# Altium PCB cheriot-test.PcbDoc (part 4 of 12)
Units mil, origin at the board's own origin, x right, y up, seen from the top; angles counter-clockwise.
Board outline 6629.92 x 3149.61 mil, 8 copper layers (Top Layer, Int1 (Sign), Int2 (GND), Int3 (Sign), Int4 (Sign), Int5 (PWR), Int6 (Sign), Bottom Layer), stack 60.424 mil thick; 496 components, 639 nets, 2898 pads, 1737 vias.
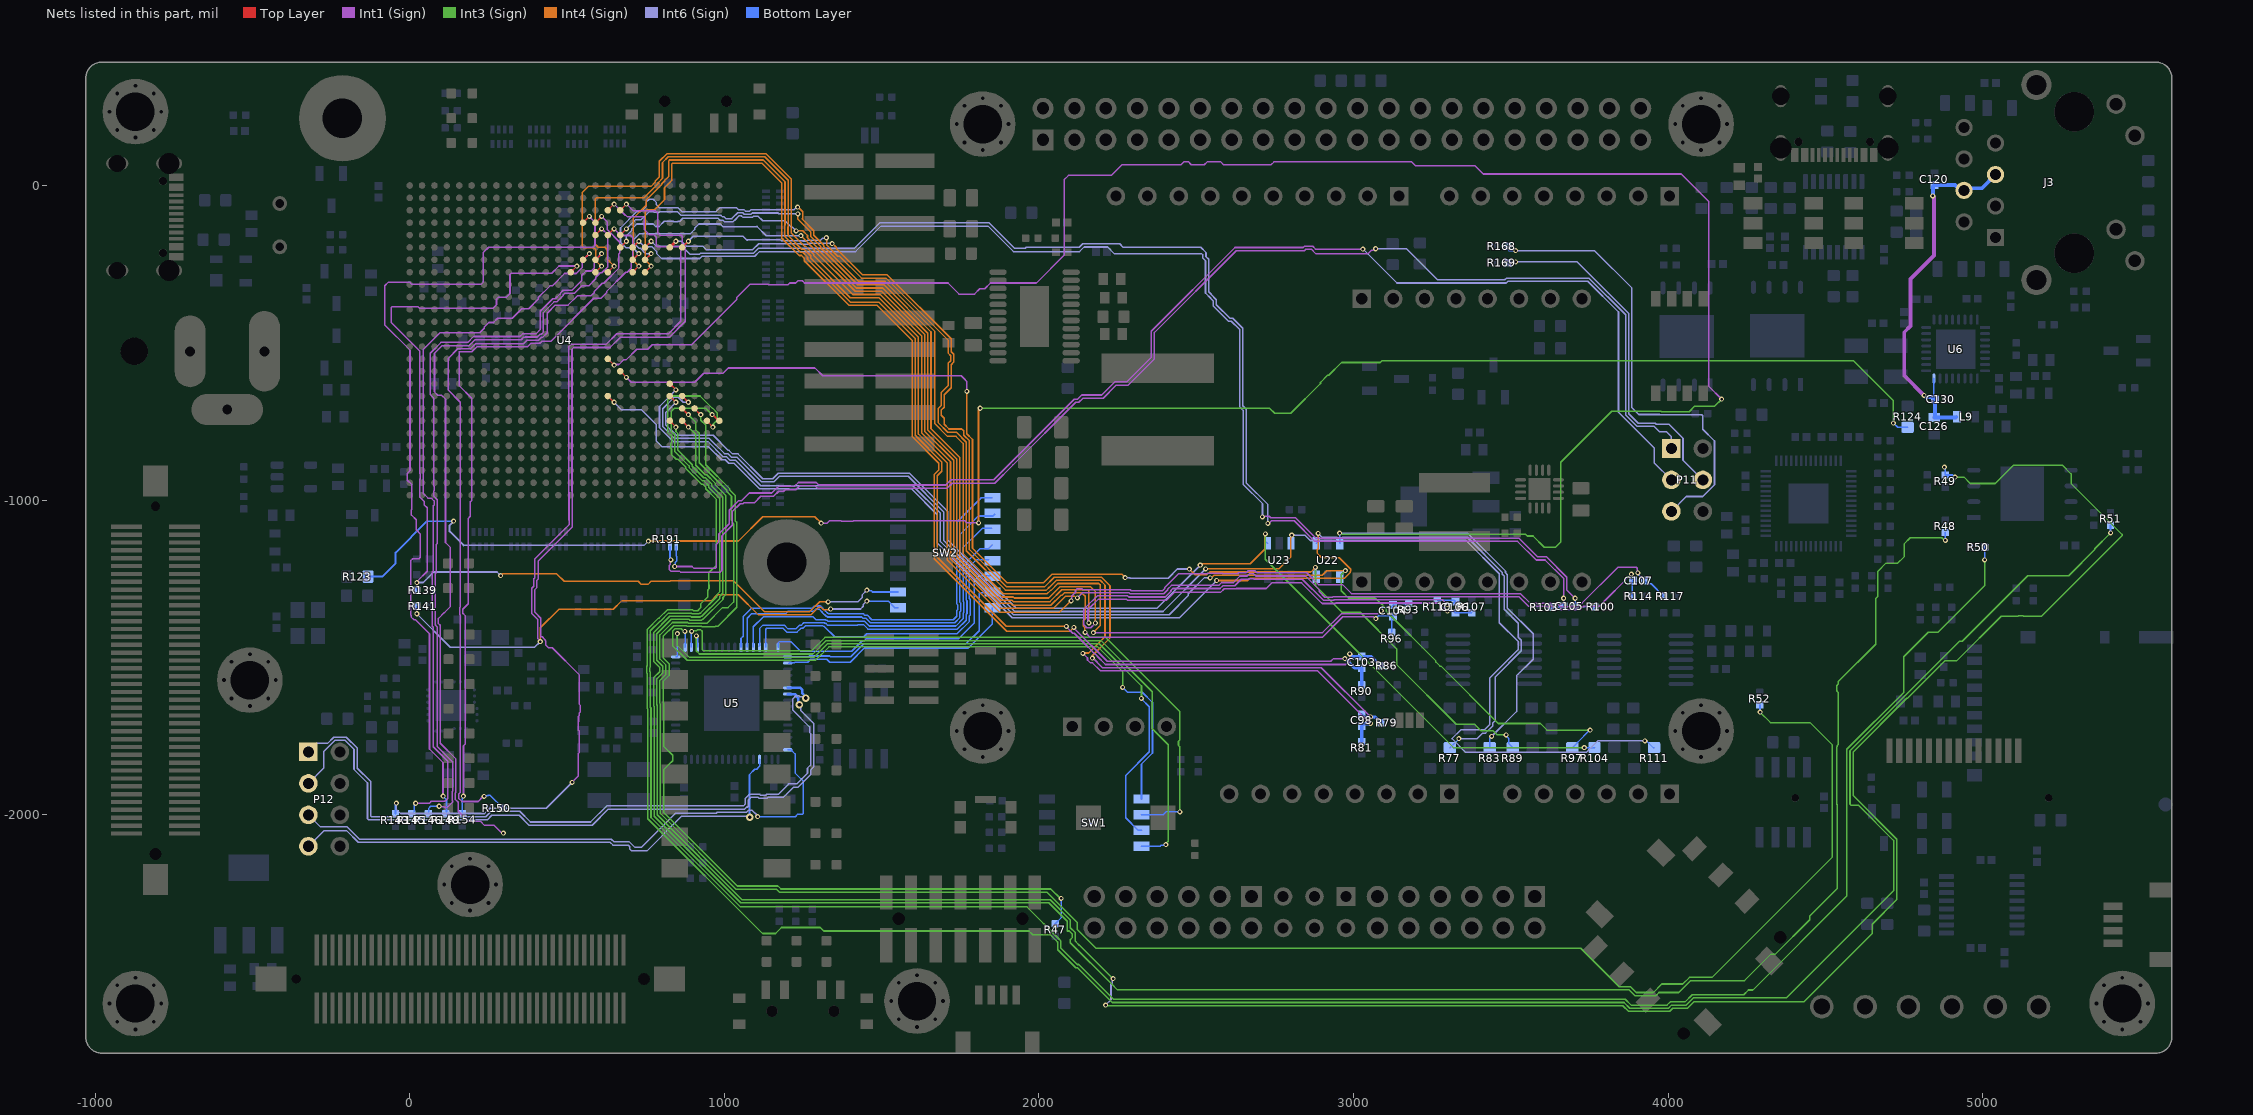
[diagram p10: the nets of this part, all layers, seen from the top]

## Via types
v1: diameter 16, hole 8, Top Layer to Bottom Layer, tented both sides, 1442 vias
v2: diameter 24, hole 12, Top Layer to Bottom Layer, tented both sides, 257 vias
v3: diameter 23.62, hole 11.81, Top Layer to Bottom Layer, tented both sides, 16 vias
v4: diameter 45, hole 20, Top Layer to Bottom Layer, 14 vias
v5: diameter 19.68, hole 8, Top Layer to Bottom Layer, 8 vias

## Nets (pads, with @x,y where several pads share a name; then routed paths per layer and width w, separated by ;. In a path a pad name is that pad's centre, name@x,y a point inside that pad or via, vN(x,y) a via of type N, cw(c..) or ccw(c..) an arc to the next point about the centre after c; other vN are vias at no path point) (continued)
AH_TMPIO14: P11.1 R191.3B | length 4326.4
  Int1 (Sign) w5: v1(829.88,-1190) 827.78,-1192.1 827.78,-1205.3 825.5,-1207.57 825.5,-1221 831,-1226.5 858.85,-1226.5 861.85,-1229.5 986.22,-1229.5 992.74,-1222.98 992.74,-1113 1025.5,-1080.23 1025.5,-1049.44 1025.5,-1036.36 1050.36,-1011.5 1059.78,-1011.5 1062.28,-1009 1094.84,-1009 1115.84,-988 1156.57,-988 1172.79,-971.79 ; 1173,-972 1188.94,-972 1194,-966.94 1227,-966.94 1239.94,-954 1288.43,-954 1296.43,-962 1708.14,-962 1724.14,-946 1859.96,-946 1917.48,-888.48 ; 1917.43,-888.42 2116.85,-689 2126.72,-689 2139.9,-675.82 2204.18,-675.82 2245,-635 2283,-635 2367,-551 2367,-467.28 2627.28,-207 2844.24,-207 2848.19,-203.05 2866.05,-203.05 2880.5,-217.5 3045.5,-217.5 3056.68,-206.32 3065.68,-206.32 3071,-201 v1(3070,-201)
  Int6 (Sign) w5: v1(3070,-201) 3167.98,-201 3266.9,-299.92 3481.02,-299.92 3486.44,-294.5 3748.64,-294.5 3864.92,-410.78 3864.92,-729.28 3901.19,-765.54 3954.77,-765.54 3971.44,-782.21 3993.57,-782.21 4010.24,-798.88 P11.1@4010.24,-835.91
  Bottom Layer w5: R191.3B@827.44,-1147.13 827.44,-1187.56 v1(829.88,-1190)
AH_TMPIO15: P11.3 R191.4B | length 4326.4
  Int1 (Sign) w5: v1(842.19,-1211) 897.49,-1211 903.49,-1217 971.07,-1217 974,-1214.07 974,-1142.14 982.74,-1133.41 982.74,-1107.55 1015.5,-1074.78 1015.5,-1032.22 1046.22,-1001.5 1055.63,-1001.5 1079.67,-977.46 1150.54,-977.46 1166.5,-961.5 ; 1167,-962 1173.5,-955.5 1224.3,-955.5 1235.8,-944 1292.57,-944 1300.57,-952 1704,-952 1721,-935 1856.71,-935 2112.71,-679 2122.58,-679 2135.76,-665.82 2200.04,-665.82 2241.93,-623.93 2279.93,-623.93 2357,-546.86 2357,-463.14 2623.14,-197 2840.1,-197 2844.05,-193.05 2870.19,-193.05 2879.14,-202 v1(3030,-202)
  Int6 (Sign) w5: v1(3030,-202) 3137.92,-309.92 3485.16,-309.92 3490.58,-304.5 3744.5,-304.5 3842.17,-402.17 3842.17,-720.66 3955.98,-834.48 3955.98,-881.65 P11.3@4010.24,-935.91
  Bottom Layer w5: v1(842.19,-1211) 844.29,-1208.9 844.29,-1198.09 849.38,-1193 849.38,-1178.88 847.13,-1176.62 R191.4B@847.13,-1147.13
AH_TMPIO16: P11.5 R168.2 | length 1464.4
  Int6 (Sign) w5: v1(3515,-207) 3765.75,-207 3884.92,-326.18 3884.92,-706.49 3906.24,-727.81 3973.37,-727.81 3974.56,-729 4107.06,-729 4109.98,-731.93 4109.98,-774.92 4147.26,-812.2 4147.26,-951.24 4110.1,-988.4 4057.74,-988.4 P11.5@4010.24,-1035.91
  Bottom Layer w5: 3492.87,-207.6 3514.4,-207.6 v1(3515,-207)
AH_TMPIO17: P11.4 R169.2 | length 1131.7
  Int6 (Sign) w5: v1(3515,-243) 3711.28,-243 3874.92,-406.64 3874.92,-725.13 3905.33,-755.54 3958.92,-755.54 3962.18,-758.81 4002.8,-758.81 4047.26,-803.27 4047.26,-872.93 P11.4@4110.24,-935.91
  Bottom Layer w5: R169.2@3493.8,-245 3495.8,-243 v1(3515,-243)
ANALOG0_DIGITAL: R77.2 U4.K18 U22.4 | length 4386.4
  Top Layer w5: U4.K18@629.92,-669.29 v1(649.61,-688.98)
  Int4 (Sign) w5: v1(2565,-1255.5) 2663.67,-1255.5 2670.62,-1248.55 2971.52,-1248.55 2988.96,-1231.11 2988.96,-1227.29 2991.05,-1225.19 2991.05,-1219.83 2954.22,-1183 2899,-1183 2884,-1168 2884,-1158 2887.48,-1154.52 2887.48,-1108.48 v1@2885,-1106
  Int6 (Sign) w5: v1(649.61,-688.98) 673.48,-712.85 736.85,-712.85 784,-760 784,-812 802,-830 950,-830 992,-872 1002.65,-872 1013.8,-883.15 1031.11,-883.15 1111.96,-964 1205.81,-964 1207.31,-965.5 1228.44,-965.5 1229.94,-964 1594.86,-964 1677,-1046.14 1677,-1136 1915,-1374 2446.5,-1374 v1(2565,-1255.5) ; v1(2887.48,-1105.82) 2900.06,-1118.39 2947.47,-1118.39 2949.58,-1120.5 2962.42,-1120.5 2964.53,-1118.39 3361.59,-1118.39 3473.01,-1229.81 3473.01,-1235.23 3478.96,-1241.18 3478.96,-1347.04 3523.29,-1391.37 3523.29,-1435.55 3533.29,-1445.55 3533.29,-1478.95 3450.98,-1561.25 3450.98,-1699.92 3442.98,-1707.92 3442.98,-1716.98 3419.55,-1740.42 3410.48,-1740.42 3392.98,-1757.92 v1(3334.83,-1757.92)
  Bottom Layer w5: U22.4@2881.09,-1137.71 2887.48,-1131.31 2887.48,-1108.48 v1@2887,-1108 ; R77.2@3306.3,-1786.46 3307.28,-1786.46 3334.83,-1758.91 v1(3334.83,-1757.92)
ANALOG0_N: C98.2 R81.2 U4.D6 | length 3620
  Top Layer w5: U4.D6@866.14,-196.85 v1(885.83,-177.17)
  Int1 (Sign) w5: v1@2140,-1489 2142,-1489 2154.5,-1501.5 2154.5,-1508.42 2163.58,-1517.5 2170.5,-1517.5 2195.42,-1542.42 2885.68,-1542.42 3053.06,-1709.81 v1(3053.98,-1709.81)
  Int4 (Sign) w5: v1(1324.36,-166.14) 1326.29,-168.06 1326.29,-189.98 1360.96,-224.65 1366.35,-224.65 1435.85,-294.15 1514.01,-294.15 1711.21,-491.35 1711.21,-532.63 1719.5,-540.92 1719.5,-557.08 1711.21,-565.37 1711.21,-636.37 1689,-658.58 1689,-700.28 1679.5,-709.78 1679.5,-753.5 1710.6,-784.6 1737.9,-784.6 1769,-815.7 1769,-1161.28 1893.72,-1286 2023.86,-1286 2032.86,-1277 2034,-1277 2056,-1255 2194.86,-1255 2210,-1270.14 2210,-1434 2158,-1486 2145,-1486 2144,-1487 v1(2140,-1487)
  Int6 (Sign) w5: v1(885.83,-177.17) 901.33,-161.67 1059.56,-161.67 1071.08,-173.18 1075.22,-173.18 1076.58,-171.81 1177.23,-171.81 1180.61,-175.19 1247.68,-175.19 1249.02,-176.53 1261.86,-176.53 1264.89,-173.5 1306.36,-173.5 1311.62,-168.24 1322.26,-168.24 v1(1324.36,-166.14)
  Bottom Layer w10: R81.2@3025.98,-1767.44 C98.2@3025.98,-1717.42 3032.45,-1710.96 3052.84,-1710.96 v1(3053.98,-1709.81)
ANALOG0_P: C98.1 R79.2 U4.E6 | length 3610.1
  Top Layer w10: U4.E6@826.77,-196.85 v1(846.46,-177.17)
  Int1 (Sign) w5: v1@2170.97,-1501.03 2202.36,-1532.42 2897.6,-1532.42 v1(3053.98,-1688.81)
  Int4 (Sign) w5: v1(1342.69,-184.46) 1344.15,-184.46 1356.15,-196.46 1356.15,-200.31 1439.99,-284.15 1518.15,-284.15 1721.21,-487.21 1721.21,-528.49 1729.5,-536.78 1729.5,-561.22 1721.21,-569.51 1721.21,-642.87 1699,-665.08 1699,-704.42 1689.5,-713.92 1689.5,-730.08 1699,-739.58 1699,-758.86 1714.07,-773.93 1755.07,-773.93 1761,-779.86 1761,-793.56 1779,-811.56 1779,-1157.14 1897.86,-1276 2018,-1276 2049,-1245 2199,-1245 2226,-1272 2226,-1438 2168.07,-1495.93 2168.07,-1500.07 v1(2170,-1502)
  Int6 (Sign) w5: v1(846.46,-177.17) 863.91,-177.17 879.41,-192.67 931.62,-192.67 943.45,-204.5 1089.42,-204.5 1109.15,-184.77 1176.05,-184.77 1176.47,-185.19 1243.54,-185.19 1244.88,-186.53 1266.01,-186.53 1269.04,-183.5 1341.73,-183.5 v1(1342.69,-184.46)
  Bottom Layer w10: C98.1@3025.98,-1681.2 3032.45,-1687.66 3052.84,-1687.66 v1(3053.98,-1688.81) 3067.98,-1688.81 R79.2@3086.3,-1707.13
ANALOG1_DIGITAL: R83.2 U4.K15 U22.6 | length 7510.8
  Top Layer w5: U4.K15@629.92,-551.18 v1(649.61,-570.87)
  Int1 (Sign) w5: v1(649.61,-570.87) 651.58,-568.89 665.11,-568.89 680.6,-553.41 688.99,-553.41 722,-520.39 756.9,-520.39 771.29,-506 896.11,-506 1039.12,-362.99 1039.12,-356.44 1081.75,-313.81 1138.81,-313.81 1141,-316 1202.08,-316 1208.08,-310 1227.08,-310 1234.58,-302.5 1247.42,-302.5 1254.92,-310 1711,-310 1746,-345 1795.42,-345 1811.92,-328.5 1827.56,-328.5 1846.06,-310 1992,-310 2080,-222 2080,18 2094,32 2230.01,32 2264.01,66 2451.58,66 2461.58,76 2474.42,76 2484.42,66 2525.58,66 2535.58,76 2576.92,76 2586.92,66 2737.86,66 2746.86,75 3185.14,75 3197.14,63 3385.96,63 3412.46,36.5 4041,36.5 ; 4041.25,36.75 4128.48,-50.48 4128.48,-637.48 v1(4170,-679)
  Int3 (Sign) w5: v1(2956,-1105) 2956,-1106.07 2958.93,-1109 3547,-1109 3552,-1114 3570.5,-1114 3606.5,-1150 3642,-1150 3659,-1133 3659,-879.86 3821.05,-717.81 3977.51,-717.81 3978.71,-719 4066.77,-719 4083.74,-702.03 4146.97,-702.03 v1(4170,-679)
  Int6 (Sign) w5: v1@2955.89,-1102.89 2957.92,-1104.92 3362.26,-1104.92 3483.01,-1225.67 3483.01,-1231.09 3488.96,-1237.04 3488.96,-1342.89 3570.98,-1424.92 3570.98,-1505.56 3518.08,-1558.47 3518.08,-1671.83 v1(3438.98,-1750.92)
  Bottom Layer w5: U22.6@2955.89,-1137.71 2956,-1137.6 v1@2956,-1107 ; R83.2@3432.43,-1786.46 3432.43,-1757.48 v1(3438.98,-1750.92)
ANALOG1_N: C103.2 R90.2 U4.G8 | length 3823
  Top Layer w5: U4.G8@748.03,-275.59 v1(767.72,-255.91)
  Int1 (Sign) w5: v1(2111.02,-1404.71) 2111.02,-1406.47 2216.97,-1512.42 2927.4,-1512.42 2936.06,-1503.77 v1(2972.48,-1503.77)
  Int4 (Sign) w5: v1(767.72,-255.91) 749,-237.19 749,-83 755,-77 778,-77 810,-45 810,-7 833,16 833,68.07 835.93,71 1120,71 1183,8 1183,-122.65 1182.54,-123.11 1182.54,-162.92 1183,-163.38 1183,-167.28 1238.22,-222.5 1245.42,-222.5 1254.5,-231.58 1254.5,-238.78 1396.72,-381 1485,-381 1597,-493 1597,-798.14 1681.5,-882.64 1681.5,-904.23 1667,-918.73 1667,-1186 1898,-1417 2098.73,-1417 v1(2111.02,-1404.71)
  Bottom Layer w10: v1(2972.48,-1503.77) 2973.14,-1503.77 3002.73,-1533.37 C103.2@3025.98,-1533.37 R90.2@3025.98,-1587.13
ANALOG1_P: C103.1 R86.2 U4.H8 | length 3874.7
  Top Layer w5: U4.H8@708.66,-275.59 v1(728.35,-255.91)
  Int1 (Sign) w5: v1(2087.43,-1401.5) 2087.43,-1403.35 2107.58,-1423.5 2112.36,-1423.5 2150.36,-1461.5 2150.56,-1461.5 2165.5,-1476.44 2165.5,-1476.64 2175.36,-1486.5 2176.42,-1486.5 2185.5,-1495.58 2185.5,-1496.64 2211.28,-1522.42 2975.75,-1522.42 2987.98,-1510.19 v1(2987.98,-1488.92)
  Int4 (Sign) w5: v1(728.35,-255.91) 710,-237.56 710,-105 752.22,-62.78 752.22,-45.82 801.1,3.06 801.1,5.9 823,27.81 823,78.07 825.93,81 1124.14,81 1193,12.14 1193,-126.8 1192.54,-127.26 1192.54,-158.78 1193,-159.24 1193,-163.14 1242.36,-212.5 1249.56,-212.5 1264.5,-227.44 1264.5,-234.64 1400.86,-371 1491.86,-371 1607,-486.14 1607,-794 1691.5,-878.5 1691.5,-908.38 1677,-922.88 1677,-1181.86 1896.14,-1401 2086.93,-1401 v1(2087.43,-1401.5)
  Bottom Layer w10: v1(2987.98,-1488.92) 2989.61,-1488.92 2997.83,-1497.15 C103.1@3025.98,-1497.15 3056.32,-1497.15 R86.2@3086.3,-1527.13
ANALOG2_DIGITAL: R89.2 U4.J16 U22.3 | length 3841.3
  Top Layer w5: U4.J16@669.29,-590.55 v1(688.98,-610.24)
  Int1 (Sign) w5: v1(688.98,-610.24) 704.48,-625.74 906.26,-625.74 935,-597 995.86,-597 1012.86,-580 1288.14,-580 1313.14,-605 1753.17,-605 1765.74,-617.57 1765.74,-618.05 1769.96,-622.28 1769.96,-653.46 v1(1771,-654.5)
  Int3 (Sign) w5: v1(2879,-1214) 2879,-1272.58 2963.21,-1356.79 3021.21,-1356.79 3136.85,-1472.43 3136.85,-1495 ; 3138,-1495 3138,-1523.69 3326.74,-1712.43 3384.57,-1712.43 3404.72,-1732.58 3442.56,-1732.58 3455.9,-1745.92 v1(3484.98,-1745.92)
  Int4 (Sign) w5: v1(1771,-654.5) 1771,-789.42 1789,-807.42 1789,-1153 1899.29,-1263.29 2013.71,-1263.29 2042,-1235 2263,-1235 v1(2274,-1246) ; v1(2478,-1219) 2496.5,-1237.5 2532.37,-1237.5 2537.87,-1231.99 2540.01,-1231.99 2543.45,-1228.55 2864.45,-1228.55 2877,-1216 v1@2877,-1214
  Int6 (Sign) w5: v1(2274,-1246) 2275.31,-1247.31 2289.5,-1247.31 2290.45,-1248.27 2410.73,-1248.27 2440,-1219 v1(2478,-1219) v1@2479,-1218
  Bottom Layer w5: v1@2879,-1216 2879,-1241.91 U22.3@2881.09,-1244 ; v1(3484.98,-1745.92) 3484.98,-1748.9 3493.54,-1757.46 3493.54,-1773.7 R89.2@3506.3,-1786.46
ANALOG2_N: C104.2 R96.2 U4.G7 | length 3645.3
  Top Layer w5: U4.G7@748.03,-236.22 v1(767.72,-216.54)
  Int1 (Sign) w5: v1(2146.96,-1420.13) 2147.13,-1420.13 2163.48,-1436.48 2900.25,-1436.48 2965.74,-1371 3062.69,-1371 3068.19,-1376.5 v1(3071.12,-1376.5)
  Int4 (Sign) w5: v1(1243.23,-159.27) 1286.29,-202.33 1286.29,-206.55 1416.17,-336.43 1499.72,-336.43 1637,-473.71 1637,-781.57 1729,-873.57 1729,-1182.43 1874.57,-1328 1910,-1328 1916,-1334 2038,-1334 2069,-1303 2072.86,-1303 2080.86,-1295 2136.07,-1295 2147,-1305.93 2147,-1377.08 2140.5,-1383.58 2140.5,-1399.52 2145.6,-1404.63 2145.6,-1418.77 v1(2146.96,-1420.13)
  Int6 (Sign) w5: v1(767.72,-216.54) 750.27,-216.54 732.74,-199.01 728.27,-199.01 712.85,-183.59 712.85,-170.75 730.3,-153.3 892.25,-153.3 905.51,-140.03 905.51,-135.56 918.78,-122.3 987.2,-122.3 995.4,-130.5 1103.52,-130.5 1104.01,-130.01 1133.5,-159.5 1221.54,-159.5 1221.9,-159.86 1242.64,-159.86 v1(1243.23,-159.27)
  Bottom Layer w5: v1(3071.12,-1376.5) 3071.12,-1375.85 3079.55,-1367.42 3123.19,-1367.42 C104.2@3125.98,-1370.21 3121.35,-1374.85 R96.2@3121.35,-1420.24
ANALOG2_P: C104.1 R93.2 U4.H7 | length 3886.1
  Top Layer w5: U4.H7@708.66,-236.22 v1(728.35,-216.54)
  Int1 (Sign) w5: v1(2172.98,-1420.98) 2901.61,-1420.98 2961.59,-1361 3079.77,-1361 3088.2,-1352.57 v1(3088.2,-1351.92)
  Int4 (Sign) w5: v1(1232.77,-69.04) 1234.96,-69.04 1249.5,-83.58 1249.5,-102.5 1248.46,-103.54 1248.46,-107.68 1284.55,-143.78 1284.55,-158.16 1316.29,-189.9 1316.29,-194.12 1427.17,-305 1510.72,-305 1669.5,-463.78 1669.5,-757.64 1709.28,-797.42 1736.58,-797.42 1759,-819.85 1759,-1170 1887,-1298 2026,-1298 2037,-1287 2038.14,-1287 2060.14,-1265 2190.72,-1265 2195,-1269.29 2195,-1398.75 2172.98,-1420.77 v1(2172.98,-1420.98)
  Int6 (Sign) w5: v1(728.35,-216.54) 709.08,-197.27 687.16,-197.27 670,-180.11 670,-134.85 721.93,-82.93 734.07,-82.93 752,-65 ; 752.22,-65 752.22,-52.63 761.3,-43.56 774.14,-43.56 783.22,-52.63 783.22,-59.62 794.87,-71.27 853.33,-71.27 864.99,-82.93 973.93,-82.93 986.35,-70.5 1038.65,-70.5 1044.58,-76.43 1062.51,-76.43 1067.58,-81.5 1080.42,-81.5 1085.49,-76.43 1222.4,-76.43 1229.79,-69.04 v1(1232.77,-69.04)
  Bottom Layer w5: v1(3088.2,-1351.92) 3090.3,-1349.82 3090.3,-1343.59 3093.98,-1339.92 3120.06,-1339.92 C104.1@3125.98,-1333.99 3131.43,-1328.55 R93.2@3176.12,-1328.55
ANALOG3_DIGITAL: R97.2 U4.E17 U22.1 | length 3838.4
  Top Layer w5: U4.E17@826.77,-629.92 v1(846.46,-649.61)
  Int3 (Sign) w5: v1@2970,-1226 2970.13,-1226.13 2970.13,-1228.01 2961.07,-1237.07 2961.07,-1288.07 2984,-1311 3069.2,-1311 3103.7,-1345.5 3103.7,-1353.47 3261.94,-1511.71 3261.94,-1514.54 3274.78,-1527.38 3277.61,-1527.38 3460.15,-1709.92 3594.08,-1709.92 3615,-1730.84 v1(3751.9,-1730.84)
  Int4 (Sign) w5: v1(2544.29,-1247.49) 2547.27,-1247.49 2556.22,-1238.55 2900.34,-1238.55 2914.47,-1224.42 v1(2973.72,-1224.42)
  Int6 (Sign) w5: v1(846.46,-649.61) 794,-702.06 794,-770.14 837.86,-814 948.14,-814 996.14,-862 1006.8,-862 1017.94,-873.15 1035.25,-873.15 1116.1,-954 1209.95,-954 1211.45,-955.5 1224.3,-955.5 1225.8,-954 1599,-954 1687,-1042 1687,-1131.86 1919.14,-1364 2414,-1364 2474.46,-1303.54 2474.46,-1297.94 2526.29,-1246.11 2542.91,-1246.11 v1(2544.29,-1247.49)
  Bottom Layer w5: R97.2@3695.49,-1786.46 3696.42,-1786.46 3711.49,-1771.39 3711.49,-1770.46 3751.11,-1730.84 v1(3751.9,-1730.84)
ANALOG3_N: C105.2 R103.2 U4.G6 | length 4001.3
  Top Layer w5: U4.G6@748.03,-196.85 v1(767.72,-177.17)
  Int1 (Sign) w5: v1@2725.02,-1074 2730.98,-1074 2739.34,-1065.63 2811.24,-1065.63 2876.92,-1131.32 3521.46,-1131.32 3580.52,-1190.38 3608.81,-1190.38 3667.87,-1249.45 v1(3667.87,-1311.87)
  Int6 (Sign) w5: v1(767.72,-177.17) 783.22,-192.67 865.26,-192.67 890.6,-218 921.86,-218 924.86,-215 1093.06,-215 1108.1,-199.96 1412.9,-199.96 1493.86,-119 1842.14,-119 1923.1,-199.96 1956.5,-199.96 1959.98,-196.48 2128.46,-196.48 2139.44,-185.5 2256.56,-185.5 2267.54,-196.48 2514.34,-196.48 2531,-213.14 2531,-226.17 2539.5,-234.67 2539.5,-337.64 2555.92,-354.06 2555.92,-355.07 2564,-363.16 2564,-378.69 2607.05,-421.74 2615.82,-421.74 2648,-453.92 2648,-699.78 2659,-710.78 2659,-945.26 2728,-1014.26 v1(2728,-1074)
  Bottom Layer w5: R103.2@3625.67,-1339.92 3665.43,-1339.92 C105.2@3667.87,-1337.47 3667.87,-1318.84 v1(3667.87,-1311.87)
ANALOG3_P: C105.1 R100.2 U4.H6 | length 4070.2
  Top Layer w5: U4.H6@708.66,-196.85 v1(728.35,-177.17)
  Int1 (Sign) w5: v1(2710.61,-1053.39) 2712.5,-1051.5 2732.42,-1051.5 2736.55,-1055.63 2815.38,-1055.63 2881.06,-1121.32 3525.6,-1121.32 3584.67,-1180.38 3612.95,-1180.38 3677.87,-1245.3 3677.87,-1285.65 v1(3704.09,-1311.87)
  Int6 (Sign) w5: v1(728.35,-177.17) 745.32,-194.14 769.14,-194.14 784.9,-209.9 784.9,-216.27 800.67,-232.04 921.96,-232.04 929,-225 1097.21,-225 1112.24,-209.96 1417.04,-209.96 1498,-129 1838,-129 1918.96,-209.96 2129.12,-209.96 2143.58,-195.5 2218.58,-195.5 2240.58,-217.5 2518.07,-217.5 2521,-220.43 2521,-230.31 2529.5,-238.81 2529.5,-341.78 2545.92,-358.2 2545.92,-359.22 2554,-367.3 2554,-382.84 2602.91,-431.74 2611.68,-431.74 2638,-458.06 2638,-703.93 2649,-714.93 2649,-949.4 2710.61,-1011.01 v1(2710.61,-1053.39)
  Bottom Layer w5: v1(3704.09,-1311.87) 3704.09,-1318.84 C105.1@3704.09,-1337.47 3705.48,-1338.86 R100.2@3766.3,-1338.86
ANALOG4_DIGITAL: R104.2 U4.E18 U23.4 | length 3860.7
  Top Layer w5: U4.E18@826.77,-669.29 v1(846.46,-688.98)
  Int3 (Sign) w5: v1(2719.96,-1106.96) 2719,-1107.92 2719,-1187.86 3317.6,-1786.46 v1(3733.3,-1786.46)
  Int4 (Sign) w5: v1(2512.77,-1206.79) 2515.74,-1206.79 2520.53,-1202 2672,-1202 2718,-1156 2718,-1108.92 v1(2719.96,-1106.96)
  Int6 (Sign) w5: 814,-742 814,-761 847,-794 964.91,-794 1012.91,-842 1015.08,-842 1026.23,-853.15 1043.54,-853.15 1122.39,-932 1153.76,-932 1171.26,-914.5 1588.5,-914.5 1709.71,-1035.71 1709.71,-1125.71 1928,-1344 2375.55,-1344 v1(2512.77,-1206.79) ; 814,-741 814,-723 ; 814.07,-721.36 v1(846.46,-688.98)
  Bottom Layer w5: v1(2719.96,-1106.96) 2719.96,-1131.17 U23.4@2726.49,-1137.71 ; v1(3733.3,-1786.46) 3740.26,-1786.46 R104.2@3765.98,-1786.46
ANALOG4_N: C106.2 R110.2 U4.J5 | length 3993.1
  Top Layer w5: U4.J5@669.29,-157.48 v1(688.98,-137.8)
  Int1 (Sign) w5: 2149.71,-1339.71 2185,-1304.42 2282.05,-1304.42 2285.49,-1307.86 2401.25,-1307.86 2419.82,-1289.29 2419.82,-1286.75 2425.57,-1281 2575.56,-1281 2584.75,-1271.81 2622.6,-1271.81 2643.22,-1251.19 2667.06,-1251.19 2668.25,-1250 2683.11,-1250 2684.3,-1251.19 2836.81,-1251.19 2902.57,-1316.95 2903.09,-1316.95 2904.64,-1318.5 2937.36,-1318.5 2938.91,-1316.95 3283.01,-1316.95 v1(3297.98,-1331.92) ; 2150,-1340 2143.01,-1346.99 2143.01,-1396.42 2152.09,-1405.5 2164.93,-1405.5 2178.43,-1392 v1@2180,-1392
  Int4 (Sign) w5: v1(1234,-90) 1234,-107.36 1274.55,-147.92 1274.55,-162.31 1306.29,-194.04 1306.29,-198.27 1423.85,-315.82 1507.4,-315.82 1657,-465.43 1657,-773.29 1749,-865.29 1749,-1174.14 1882.86,-1308 1918.28,-1308 1921.28,-1311 2031,-1311 2067,-1275 2163.72,-1275 2179.5,-1290.78 v1(2179.5,-1390.55)
  Int6 (Sign) w5: v1(688.98,-137.8) 717.77,-109 735.22,-109 761.3,-82.93 774.14,-82.93 775.71,-84.5 793.82,-84.5 795.4,-82.93 850.85,-82.93 862.16,-94.24 989,-94.24 994.63,-99.87 999.51,-99.87 1005.14,-105.5 1023.44,-105.5 1026.37,-102.57 1026.37,-102.49 1042.43,-86.43 1058.36,-86.43 1063.44,-91.5 1084.56,-91.5 1088.62,-87.44 1170.74,-87.44 1173.3,-90 v1(1234,-90)
  Bottom Layer w5: R110.2@3265.98,-1318.69 3320.42,-1318.69 C106.2@3323.54,-1321.81 3313.44,-1331.91 v1(3297.98,-1331.92)
ANALOG4_P: C106.1 R107.2 U4.J6 | length 3903.4
  Top Layer w5: U4.J6@669.29,-196.85 v1(688.98,-177.17)
  Int1 (Sign) w5: v1(2158.51,-1390) 2156.4,-1387.9 2156.4,-1383.4 2156,-1383 2156,-1348.14 2160,-1344.14 2160,-1344 2189.58,-1314.42 2277.9,-1314.42 2281.34,-1317.86 2405.39,-1317.86 2429.82,-1293.43 2577.27,-1293.43 2588.89,-1281.81 2626.74,-1281.81 2627.55,-1281 2722.16,-1281 2740.02,-1263.14 2834.62,-1263.14 2898.43,-1326.95 2898.95,-1326.95 2900.5,-1328.5 2941.5,-1328.5 2943.05,-1326.95 3271.09,-1326.95 3297.06,-1352.92 v1(3297.98,-1352.92)
  Int4 (Sign) w5: v1(1228.44,-144.36) 1229.03,-143.77 1249.65,-143.77 1264.55,-158.67 1264.55,-166.45 1296.29,-198.19 1296.29,-202.41 1419.7,-325.82 1503.25,-325.82 1647,-469.57 1647,-777.43 1739,-869.43 1739,-1178.28 1878.72,-1318 1914.14,-1318 1918.57,-1322.43 2035.43,-1322.43 2072.86,-1285 2155.58,-1285 2158.51,-1287.93 v1(2158.51,-1390)
  Int6 (Sign) w5: v1(688.98,-177.17) 688.98,-159.72 706.5,-142.19 706.5,-137.72 721.93,-122.3 774.14,-122.3 782.16,-130.31 792.65,-130.31 809.04,-113.93 838,-113.93 839.58,-115.5 852.42,-115.5 854,-113.93 858.31,-113.93 868,-104.24 980,-104.24 985.63,-109.87 995.37,-109.87 1001,-115.5 1027.58,-115.5 1034.49,-108.59 1046.65,-96.43 1054.22,-96.43 1059.3,-101.5 1088.7,-101.5 1092.76,-97.44 1107.44,-97.44 1122,-112 1193,-112 1214.17,-133.17 1217.26,-133.17 v1(1228.44,-144.36)
  Bottom Layer w5: v1(3297.98,-1352.92) 3313.44,-1352.92 3315.92,-1350.43 C106.1@3323.54,-1358.03 ; C106.1@3323.54,-1358.03 R107.2@3375.98,-1358.06
ANALOG5_DIGITAL: R111.2 U4.D18 U23.6 | length 4717.3
  Top Layer w5: U4.D18@866.14,-669.29 v1(885.83,-688.98)
  Int4 (Sign) w5: v1(2530.17,-1218.55) 2763.45,-1218.55 2801,-1181 2801,-1119 2801.49,-1118.51 2801.49,-1116.16 2805.65,-1112 v1@2808,-1112
  Int6 (Sign) w5: v1(885.83,-688.98) 869.19,-688.98 853.69,-673.48 840.04,-673.48 804,-709.51 804,-766 842,-804 952.28,-804 1000.28,-852 1010.94,-852 1022.09,-863.15 1039.39,-863.15 1118.24,-942 1157.9,-942 1175.4,-924.5 1584.36,-924.5 1697,-1037.14 1697,-1127.72 1923.28,-1354 2394.71,-1354 v1(2530.17,-1218.55) ; v1(2803.59,-1111.08) 2845.12,-1111.08 2862.43,-1128.39 2943.33,-1128.39 2945.44,-1130.5 2966.56,-1130.5 2968.67,-1128.39 3357.45,-1128.39 3463.01,-1233.96 3463.01,-1389.41 3523.29,-1449.69 3523.29,-1474.81 3432.98,-1565.11 3432.98,-1712.84 3415.4,-1730.42 3340.41,-1730.42 3313.02,-1757.82 3313.02,-1758.03 3356.95,-1801.96 3739.72,-1801.96 3776.75,-1764.92 v1(3925.98,-1764.92)
  Bottom Layer w5: v1(3925.98,-1764.92) 3928.09,-1767.03 3932.74,-1767.03 3952.17,-1786.46 R111.2@3955.18,-1786.46
ANALOG5_N: C107.2 R117.2 U4.K8 | length 5053.5
  Top Layer w5: U4.K8@629.92,-275.59 v1(649.61,-255.91)
  Int1 (Sign) w5: v1(2102.51,-1320.5) 2104.28,-1318.74 2104.28,-1305 2116.18,-1293.1 2116.18,-1287.52 2122.2,-1281.5 2136.42,-1281.5 2139.34,-1284.42 2290.33,-1284.42 2293.77,-1287.86 2392.96,-1287.86 2399.82,-1281.01 2399.82,-1277.71 2443.48,-1234.05 2471.13,-1234.05 2471.58,-1234.5 2535.37,-1234.5 2537.87,-1231.99 2583.5,-1231.99 2586.01,-1234.5 2631.63,-1234.5 2634.94,-1231.19 2658.02,-1231.19 2665.03,-1224.19 2686.15,-1224.19 2693.16,-1231.19 2851.07,-1231.19 2888.38,-1268.5 2964.9,-1268.5 2993.35,-1296.95 3530.07,-1296.95 3560.5,-1327.37 3645.9,-1327.37 3656.9,-1338.37 3715.07,-1338.37 3726.07,-1327.37 3726.45,-1327.37 3840.56,-1213.26 3898.87,-1213.26 3901.9,-1216.29 3901.9,-1228.88 v1(3904,-1230.98)